# KiCad board OroLink.kicad_pcb
title: Oro Link; date: 2023-03-22; rev: 3; company: Oro Operating System; note: ://oro.sh; note: Joshua Lee Junon
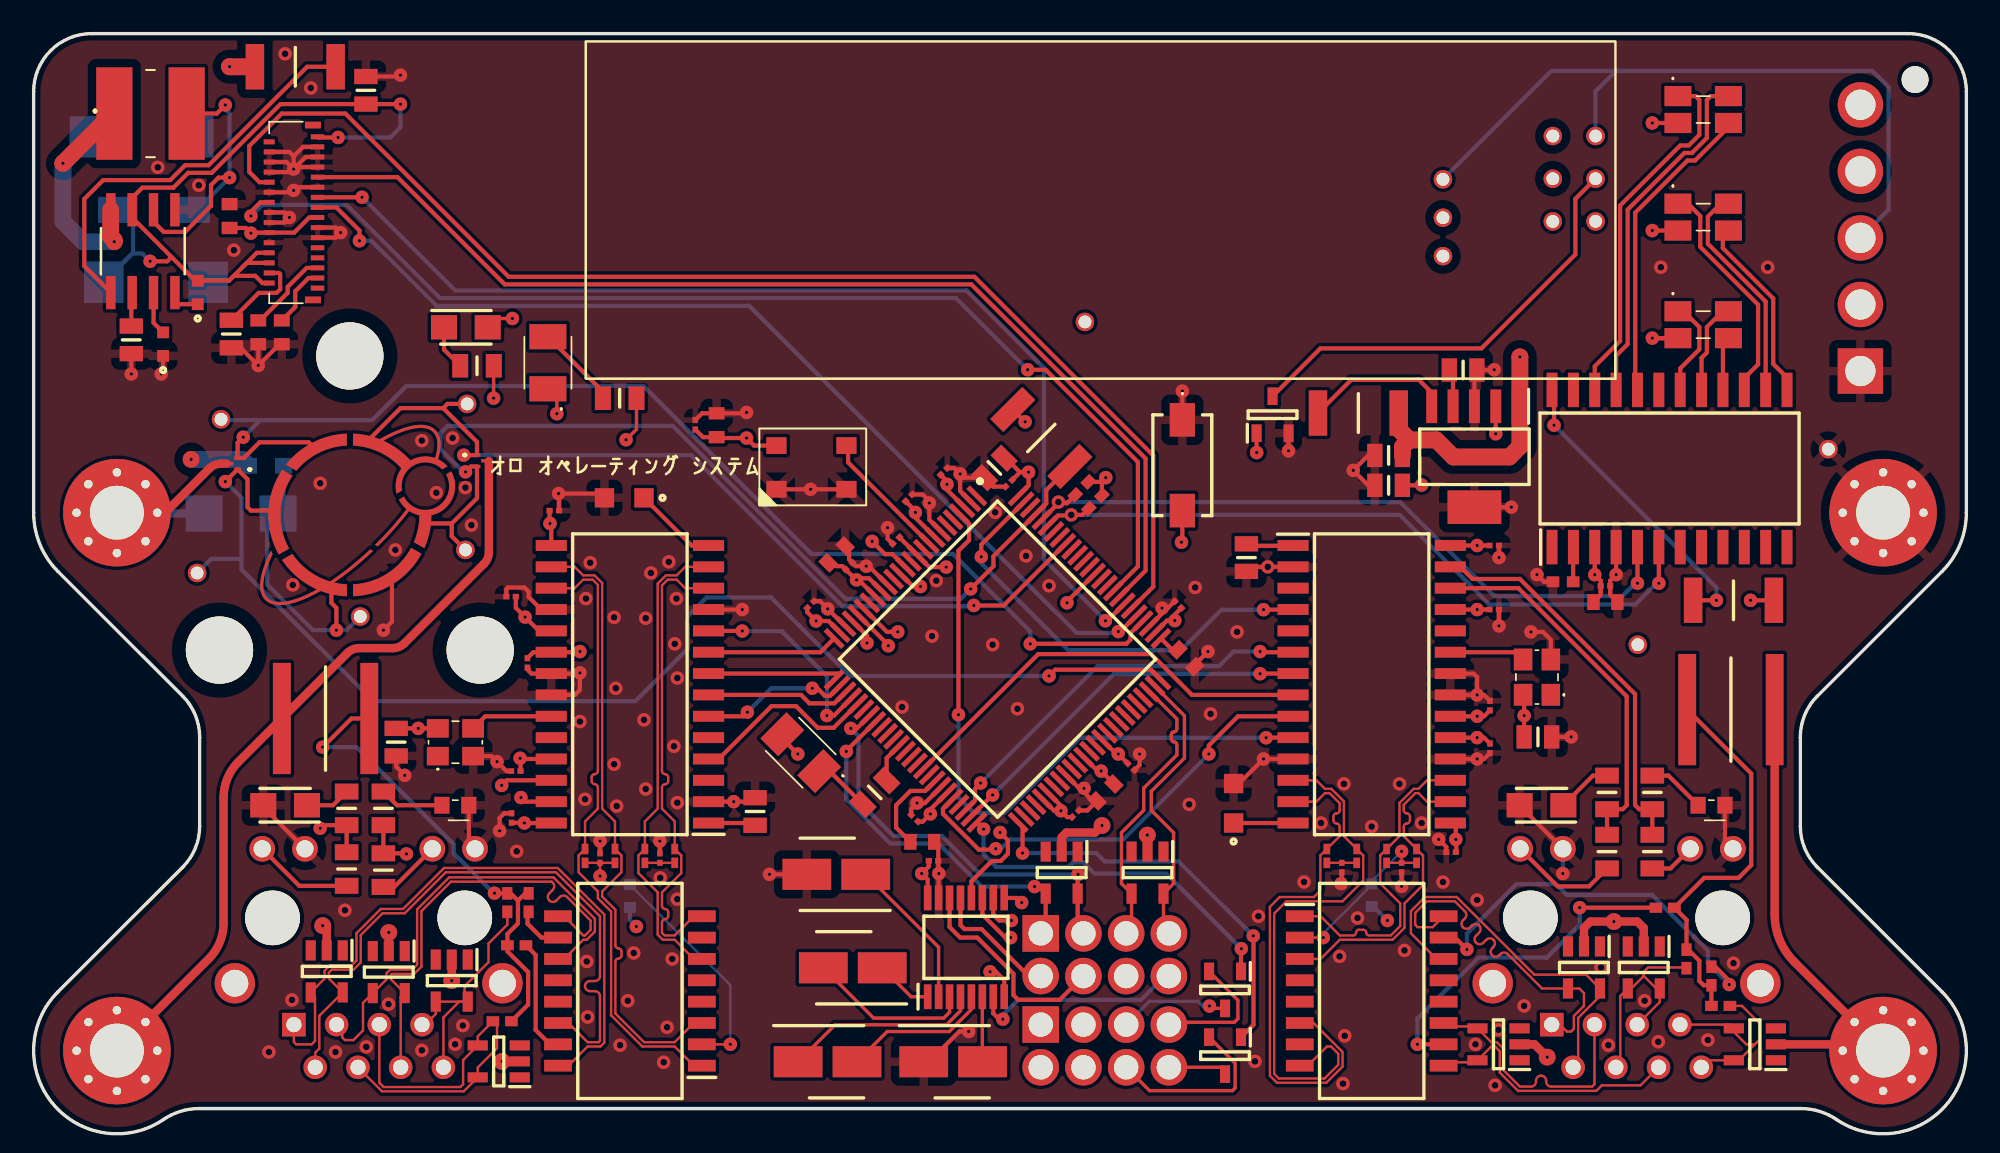
[diagram p0: board, top side]
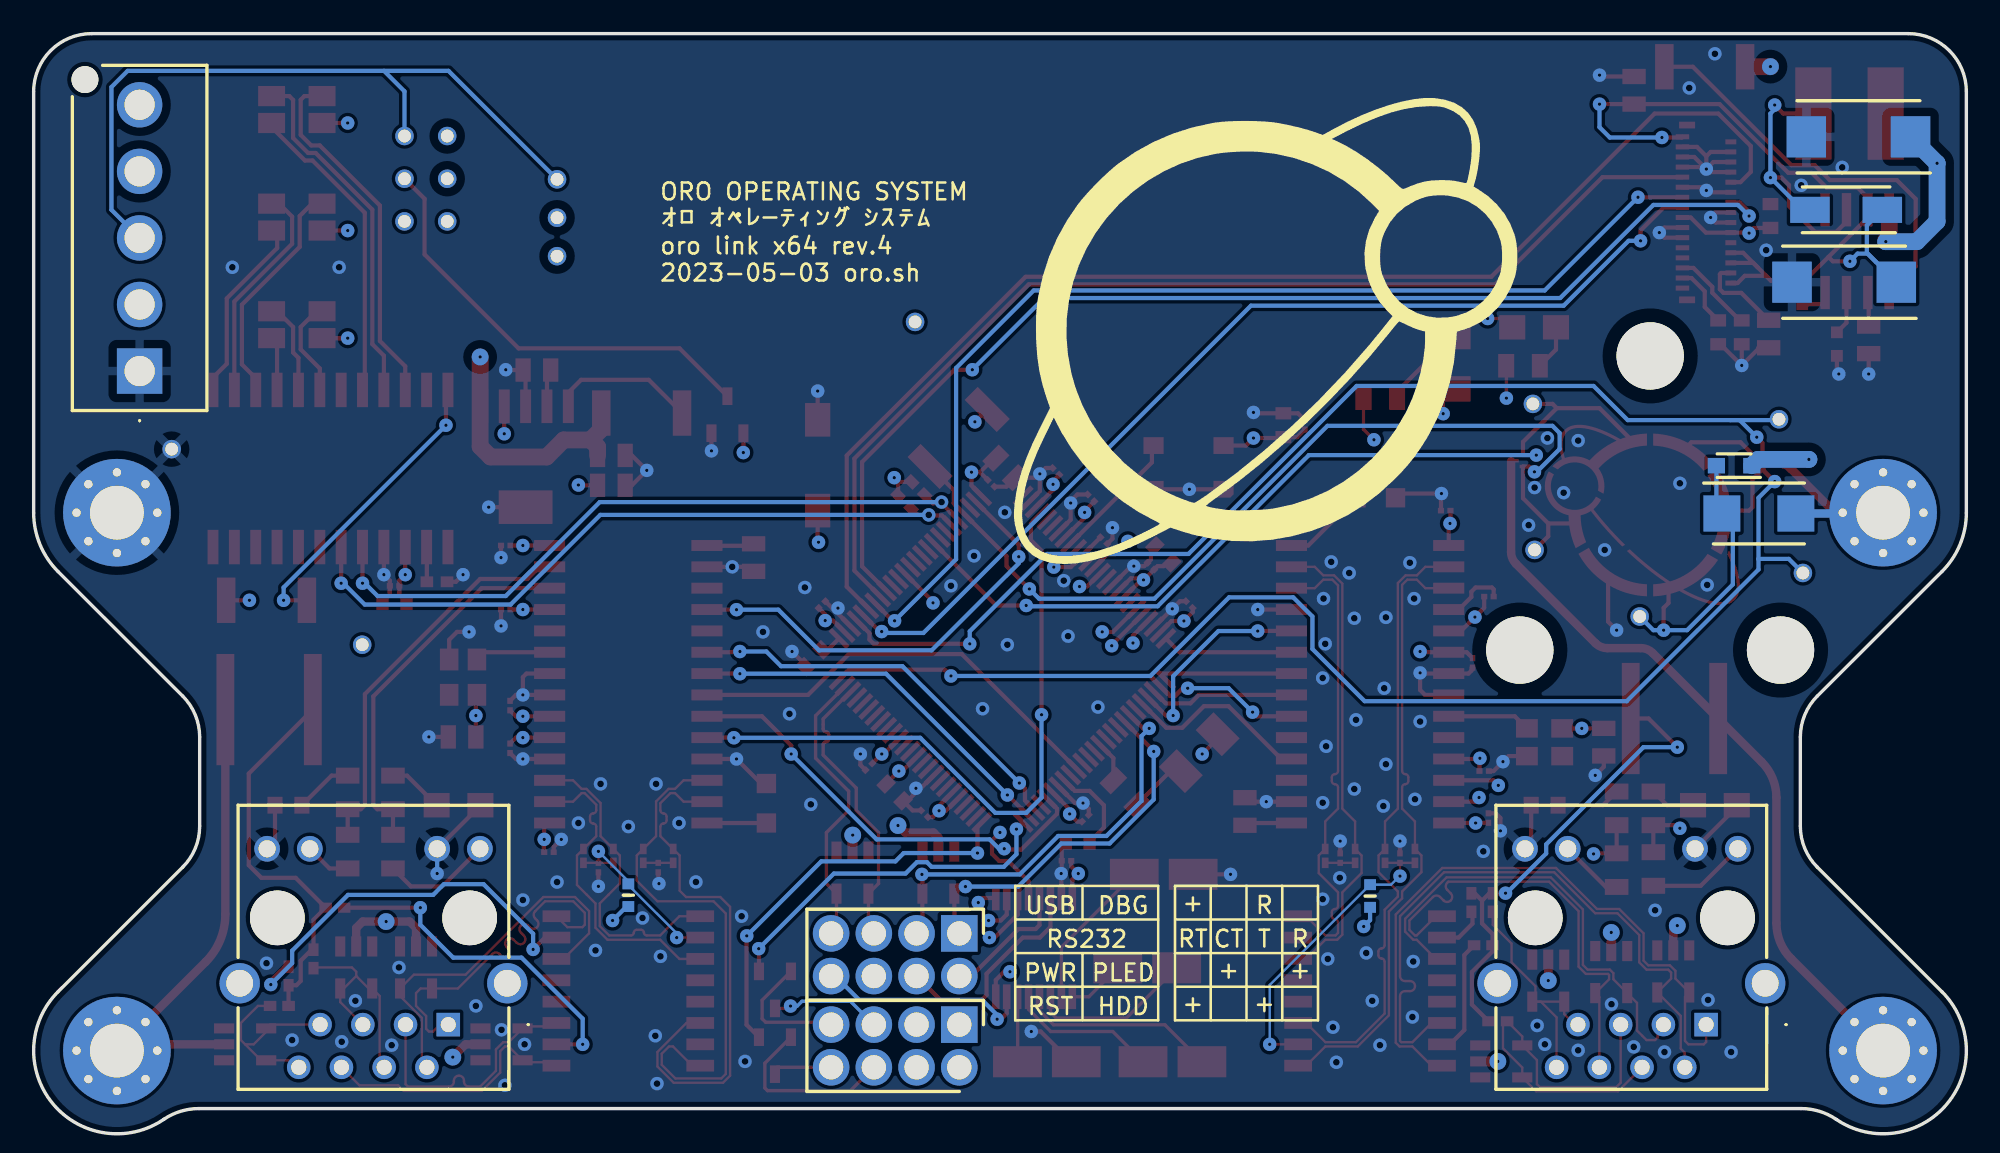
[diagram p1: board, bottom side, seen from below]

Outline 114.9 x 65.45 mm; copper layers: Top, In1.Cu (plane), In2.Cu (plane), Bottom. Coordinates in mm from the lower left corner of the outline.
Outline path: 0,62 0,36.95 arc(0.38,35.06) 1.45,33.45 8.86,26.04 arc(9.61,24.92) 9.87,23.6 9.87,18.3 arc(9.61,16.98) 8.86,15.86 1.45,8.45 arc(1.14,1.8) 7.73,0.86 arc(8.73,1.34) 9.82,1.5 105.08,1.5 arc(106.17,1.34) 107.17,0.86 arc(113.76,1.8) 113.45,8.45 106.04,15.86 arc(105.29,16.98) 105.03,18.3 105.03,23.6 arc(105.29,24.92) 106.04,26.04 113.45,33.45 arc(114.52,35.06) 114.9,36.95 114.9,62 arc(113.89,64.44) 111.45,65.45 3.45,65.45 arc(1.01,64.44) 0,62
Stack: Top 0.035mm / dielectric 0.2104mm FR4 er 4.5 / In1.Cu 0.0152mm / dielectric 1.065mm FR4 er 4.5 / In2.Cu 0.0152mm / dielectric 0.2104mm FR4 er 4.5 / Bottom 0.035mm

## Placement (name value [footprint] x y rotation side)
C1  0.1u  [CAPC0402X22N]  39.33 42.18 270 top
C2  1u  [CAPC1608X90N]  40.6 42.16 270 top
C3  0.1u  [CAPC0402X22N]  51.27 35.3 225 top
C4  4.7u  [CAPC2012X135N]  57.11 39.62 225 top
C5  2.2u  [CAPC1608X90N]  52.83 17.37 0 top
C6  2.2u  [CAPC1608X90N]  68.53 28.29 315 top
C7  0.1u  [CAPC0402X22N]  57.98 38.7 45 top
C8  0.1u  [CAPC0402X22N]  68.04 31.49 315 top
C9  0.1u  [CAPC0402X22N]  52.03 37.84 225 top
C10  0.1u  [CAPC0402X22N]  46.19 31.49 225 top
C11  0.1u  [CAPC0402X22N]  52.37 18.77 315 top
C12  0.1u  [CAPC0402X22N]  65.24 21.84 135 top
C13  0.1u  [CAPC0402X22N]  61.94 19.04 225 top
C14  0.1u  [CAPC0402X22N]  54.12 39.41 225 top
C15  2.2u  [CAPC1608X90N]  63.72 20.31 225 top
C16  0.1u  [CAPC0402X22N]  48.48 33.77 225 top
C17  1u  [CAPC1608X90N]  47.74 34.47 225 top
C18  10u  [CAPC2012X135N]  80.55 40.36 180 top
C19  10u  [CAPC2012X135N]  84.98 45.44 180 top
C20  10u  [CAPC2012X135N]  80.55 38.58 0 top
C21  1u  [CAPC1608X90N]  14.75 47.68 90 top
C22  1u  [CAPC1608X90N]  13.35 47.68 90 top
C23  4.7u  [CAPC2012X135N]  19.75 62.08 90 top
C24  1u  [CAPC1608X90N]  11.65 54.6 270 top
C25  4.7u  [CAPC2012X135N]  11.75 47.58 90 top
C26  0.01u  [CAPC2012X75N]  5.81 47.24 90 top
C27  0.047u  [C1608_Commercial_Tight]  6.95 45.68 90 top
C28  0.001u  [C1608_Commercial_Tight]  9 48.76 90 top
C29  33u  [CAPPM7343X310N]  6.42 59.31 0 bottom
C30  33u  [CAPPM7343X310N]  7.27 50.66 0 bottom
C31  10u  [CAPC2012X135N]  42.89 19.18 270 top
C32  0.01u  [CAPC2012X75N]  21.55 23.3 270 top
C33  0.1u  [CAPC0402X22N]  37.23 16.4 90 top
C34  0.1u  [CAPC0402X22N]  33.67 16.4 90 top
C35  1nF 5kV  [CAPC5664X270N]  17.35 24.71 0 top
C36  0.1u  [CAPC0402X22N]  28.41 18.79 90 top
C37  0.1u  [CAPC0402X22N]  30.95 37.08 0 top
C38  0.1u  [CAPC0402X22N]  28.38 31.96 180 top
C39  0.1u  [CAPC0402X22N]  28.67 21.58 180 top
C40  0.1u  [CAPC0402X22N]  29.35 28.02 270 top
C41  10u  [CAPC2012X135N]  72.1 34.28 90 top
C42  0.01u  [CAPC2012X75N]  89.43 23.61 0 top
C43  0.1u  [CAPC0402X22N]  77.77 15.84 270 top
C44  0.1u  [CAPC0402X22N]  81.33 15.84 270 top
C45  1nF 5kV  [CAPC5664X270N]  100.9 25.24 180 top
C46  0.1u  [CAPC0402X22N]  86.83 35 0 top
C47  0.1u  [CAPC0402X22N]  84.26 16.76 180 top
C48  0.1u  [CAPC0402X22N]  86.58 22.94 270 top
C49  0.1u  [CAPC0402X22N]  86.83 31.19 0 top
C50  0.1u  [CAPC0402X22N]  86.58 25.48 90 top
C51  0.1u  [CAPAE430X610N]  48.7 9.88 180 top
C52  0.1u  [CAPAE430X610N]  47.2 4.29 0 top
C53  0.1u  [CAPAE430X610N]  47.72 15.44 180 top
C54  0.1u  [CAPC0402X22N]  53.5 16.25 0 top
C55  0.1u  [CAPAE430X610N]  54.66 4.29 0 top
C56  0.1u  [CAPC0402X22N]  93.44 32.6 0 top
C57  1u  [CAPC1608X90N]  93.44 31.63 180 top
D1  ESDS302DBVR  [SOT95P280X145-5N]  61.12 15.54 270 top
D2  ESDS302DBVR  [SOT95P280X145-5N]  66.22 15.54 270 top
D3  SS12  [DIOM5227X250N]  7.15 54.97 0 bottom
D4  ESDS302DBVR  [SOT95P280X145-5N]  17.42 9.66 270 top
D5  ESDS302DBVR  [SOT95P280X145-5N]  21.11 9.62 270 top
D6  ESDS302DBVR  [SOT95P280X145-5N]  27.65 4.31 180 top
D7  ESDS302DBVR  [SOT95P280X145-5N]  24.86 9.12 270 top
D8  ESDS302DBVR  [SOT95P280X145-5N]  92.17 9.9 270 top
D9  ESDS302DBVR  [SOT95P280X145-5N]  87.09 5.33 180 top
D10  ESDS302DBVR  [SOT95P280X145-5N]  95.72 9.9 270 top
D11  ESDS302DBVR  [SOT95P280X145-5N]  102.33 5.33 180 top
D12  RFU02VSM8STR  [SODFL2514X80N]  13.81 39.75 0 bottom
D13  RCLAMP3552T.TNT  [RCLAMP3552TTNT]  11.9 39.87 90 top
D14  P6SMB15A-Q  [DIOM5436X244N]  12.34 36.91 180 bottom
D15  RCLAMP3552T.TNT  [RCLAMP3552TTNT]  26.58 40.04 270 top
DBG1  ~  [DebugPin]  106.69 40.73 0 top
DBG31  ~  [DebugPin]  62.5 48.3 0 top
DBG32  ~  [DebugPin]  83.78 56.79 0 top
DBG33  ~  [DebugPin]  83.78 52.21 0 top
DBG34  ~  [DebugPin]  83.78 54.5 0 top
DBG35  ~  [DebugPin]  95.37 29.1 0 top
DBG39  ~  [DebugPin]  19.42 30.78 0 top
DBG40  ~  [DebugPin]  9.72 33.37 0 top
DBG41  ~  [DebugPin]  11.14 42.51 0 top
DBG42  ~  [DebugPin]  25.77 43.43 0 top
DBG43  ~  [DebugPin]  25.67 34.74 0 top
FB1  CD54NP-180MC  [CD54NP180MC]  6.95 60.7 270 top
FB2  BLM18BB600SZ1D  [BLM18EG121SH1D]  35.45 14.15 90 bottom
FB3  BLM18BB600SZ1D  [BLM18EG121SH1D]  79.54 14.2 90 bottom
G***  -  [LOGO]  41.62 47.74 180 bottom
H1  MountingHole_Pad  [MountingHole_3.2mm_M3_Pad_Via]  109.95 4.95 0 top
H2  MountingHole_Pad  [MountingHole_3.2mm_M3_Pad_Via]  4.95 36.95 0 top
H3  MountingHole_Pad  [MountingHole_3.2mm_M3_Pad_Via]  4.95 4.95 0 top
H4  MountingHole_Pad  [MountingHole_3.2mm_M3_Pad_Via]  109.95 36.95 0 top
IC1  STM32F479VGT6  [QFP50P1600X1600X160-100N]  57.3 28.24 315 top
IC2  TPS73733DCQ  [SOT127P706X180-6N]  85.65 40.28 270 top
IC3  TPS6734IDR  [SOIC127P600X175-8N]  6.49 52.51 90 top
IC4  ENC28J60-I_SO  [SOIC127P1030X265-28N]  35.45 26.75 180 top
IC5  ENC28J60-I_SO  [SOIC127P1030X265-28N]  79.55 26.75 0 top
IC6  SN75C3232EPWR  [SOP65P640X120-16N]  55.43 11.1 90 top
IC7  IS31FL3218-GRLS2  [SOIC127P1036X265-24N]  97.25 39.58 90 top
J1  67996-408HLF  [HDRV8W89P254_2X4_1016X483X858P]  59.87 11.93 0 bottom
J2  DF63-5P-3.96DSA  [DF635P396DSA]  108.6 45.38 90 bottom
J3  67996-408HLF  [HDRV8W89P254_2X4_1016X483X858P]  59.87 6.5 0 bottom
J4  3-2328724-1  [323287241]  15.48 54.81 90 top
J5  JXD2-0Z10NL  [JXD20Z10NL]  15.47 6.5 180 bottom
J6  JXD2-0Z10NL  [JXD20Z10NL]  90.25 6.5 180 bottom
J7  OroConn6p  [OroConn6p_WithMounts]  18.8 36.78 0 top
LED1  AA3528VRVFS/A  [AA3528VRVFSA]  45.6 22.68 135 top
LED2  AA3528VRVFS/A  [AA3528VRVFSA]  30.57 45.87 90 top
LED3  CLM3C-WKW-CXAYA453  [CLM3CWKWCXAYA453]  25.7 47.98 0 top
LED4  APT1608VRCXF_A-5MAV  [APT1608VRCXFA5MAV]  25.07 19.55 180 top
LED5  CLM3C-WKW-CXAYA453  [CLM3CWKWCXAYA453]  14.95 19.55 180 top
LED6  APT1608VRCXF_A-5MAV  [APT1608VRCXFA5MAV]  99.75 19.55 180 top
LED7  CLM3C-WKW-CXAYA453  [CLM3CWKWCXAYA453]  89.64 19.55 180 top
LED8  -  [150120M173000]  99.25 60.94 0 top
LED9  -  [150120M173000]  99.25 54.54 0 top
LED10  -  [150120M173000]  99.25 48.14 0 top
Q1  PMV20ENR  [SOT95P230X110-3N]  73.65 42.78 90 top
Q2  PMV20ENR  [SOT95P230X110-3N]  70.83 8.56 270 top
Q3  PMV20ENR  [SOT95P230X110-3N]  70.83 4.65 270 top
R1  4.7k  [RESC1005X40N]  63.12 37.59 225 top
R2  4.7k  [RESC1005X40N]  62.31 38.4 225 top
R3  10k  [RESC5025X65N]  59.91 41.4 315 top
R4  1k  [RESC2012X60N]  50 20.31 225 top
R5  10k  [RESC5025X65N]  78.75 42.88 180 top
R6  1k  [RESC2012X60N]  34.84 43.76 0 top
R7  1k  [RESC2012X60N]  26.36 45.69 180 top
R8  10k  [RESC5025X65N]  15.55 63.48 180 top
R9  2.32k, <=1%  [ERJP06__0805_]  35.11 37.84 180 top
R10  RMCF0201FT49R9  [RESC0603X26N]  32.78 16.53 270 top
R11  RMCF0201FT49R9  [RESC0603X26N]  34.56 16.53 270 top
R12  RMCF0201FT49R9  [RESC0603X26N]  36.34 16.53 270 top
R13  RMCF0201FT49R9  [RESC0603X26N]  38.12 16.53 270 top
R14  75R  [RESC1005X40N]  29.43 13.76 90 top
R15  75R  [RESC1005X40N]  28.72 11.22 180 top
R16  75R  [RESC1005X40N]  27.85 6.7 0 top
R17  75R  [RESC1005X40N]  28.16 13.76 90 top
R18  470R  [RESC2012X60N]  18.61 15.76 90 top
R19  470R  [RESC2012X60N]  20.79 15.69 90 top
R20  1k  [RESC2012X60N]  18.61 19.36 270 top
R21  1k  [RESC2012X60N]  20.79 19.36 270 top
R22  2.32k, <=1%  [ERJP06__0805_]  71.34 19.67 90 top
R23  RMCF0201FT49R9  [RESC0603X26N]  80.44 16.53 270 top
R24  RMCF0201FT49R9  [RESC0603X26N]  82.21 16.53 270 top
R25  RMCF0201FT49R9  [RESC0603X26N]  76.88 16.53 270 top
R26  RMCF0201FT49R9  [RESC0603X26N]  78.66 16.53 270 top
R27  75R  [RESC1005X40N]  96.99 13.45 0 top
R28  75R  [RESC1005X40N]  99.74 9.39 270 top
R29  75R  [RESC1005X40N]  98.26 10.41 90 top
R30  75R  [RESC1005X40N]  100.29 7.61 180 top
R31  470R  [RESC2012X60N]  93.54 16.79 90 top
R32  470R  [RESC2012X60N]  96.23 16.79 90 top
R33  1k  [RESC2012X60N]  93.54 20.31 270 top
R34  1k  [RESC2012X60N]  96.23 20.31 270 top
R35  5.6K  [RESC1105X40N]  90.92 32.84 0 top
R36  10k  [RESC5025X65N]  101.06 31.74 180 top
S1  -  [TL6400AF160QJ]  68.29 39.78 270 top
S2  -  [25146NAH]  97.83 63.87 180 bottom
T1  PT61017XPEL  [SOIC127P930X570-16N]  35.45 8.5 180 top
T2  PT61017XPEL  [SOIC127P930X570-16N]  79.55 8.5 0 top
X1  -  [7P-26.000MBP-T]  43.14 41.96 0 top
Y1  25MHz  [ASE24576MHZLCT]  25.08 23.3 0 top
Y2  25MHz  [ASE24576MHZLCT]  89.37 27.17 90 top

## Library data of the parts
C1 C3 C7-C14 C16 C54 = -: Description: Capacitor Ceramic Multilayer (MLCC); Arrow Part Number: 01016D104KAT2A; Arrow Price/Stock: https://www.arrow.com/en/products/01016d104kat2a/avx; Height: 0.22; Manufacturer_Name: AVX; Manufacturer_Part_Number: 01016D104KAT2A; Mouser Part Number: 581-01016D104KAT2A; Mouser Price/Stock: https://www.mouser.com/Search/Refine.aspx?Keyword=581-01016D104KAT2A
C2 C17 C21 C22 C24 C57 = -: Description: AVX 1uF  /-10% 16 V dc X5R Dielectric SMD Ceramic Multilayer Capacitor 0603; Arrow Part Number: 0603YD105KAT2A; Arrow Price/Stock: https://www.arrow.com/en/products/0603yd105kat2a/avx; Height: 0.9; Manufacturer_Name: AVX; Manufacturer_Part_Number: 0603YD105KAT2A; Mouser Part Number: 581-0603YD105K; Mouser Price/Stock: https://www.mouser.co.uk/ProductDetail/AVX/0603YD105KAT2A?qs=Gc704lYbI0yxwip%252B5td8dA%3D%3D
C4 C23 C25 = -: Description: Samsung Electro-Mechanics CL21A475KOFNNNE 4.7uF Ceramic Multilayer Capacitor 16V dc +/-10% Tolerance SMD; Arrow Part Number: CL21A475KOFNNNE; Arrow Price/Stock: https://www.arrow.com/en/products/cl21a475kofnnne/samsung-electro-mechanics?region=europe; Height: 1.35; Manufacturer_Name: SAMSUNG; Manufacturer_Part_Number: CL21A475KOFNNNE; Mouser Part Number: 187-CL21A475KOFNNNE; Mouser Price/Stock: https://www.mouser.co.uk/ProductDetail/Samsung-Electro-Mechanics/CL21A475KOFNNNE?qs=yOVawPpwOwlqsH7zjiqEfQ%3D%3D
C5 C6 C15 = -: Description: Samsung Electro-Mechanics 0603 CL 2.2uF Ceramic Multilayer Capacitor, 10 V, +85C, X5R Dielectric, +/-10% SMD; Arrow Part Number: CL10A225KP8NNNC; Arrow Price/Stock: https://www.arrow.com/en/products/cl10a225kp8nnnc/samsung-electro-mechanics?region=europe; Height: 0.9; Manufacturer_Name: SAMSUNG; Manufacturer_Part_Number: CL10A225KP8NNNC; Mouser Part Number: 187-CL10A225KP8NNNC; Mouser Price/Stock: https://www.mouser.co.uk/ProductDetail/Samsung-Electro-Mechanics/CL10A225KP8NNNC?qs=hqM3L16%252Bxldb5UYUGQVB5Q%3D%3D
C18-C20 C31 C41 = -: Description: Multilayer Ceramic Capacitors MLCC - SMD/SMT 0805 10VDC 10uF 10% X5R; Height: 1.35; Manufacturer_Name: TAIYO YUDEN; Manufacturer_Part_Number: LMK212ABJ106KG8T; Mouser Part Number: 963-LMK212ABJ106KG8T; Mouser Price/Stock: https://www.mouser.co.uk/ProductDetail/Taiyo-Yuden/LMK212ABJ106KG8T?qs=DPoM0jnrROXr%252BNWMCZEUdQ%3D%3D
C26 C32 C42 = -: Description: Samsung Electro-Mechanics 0805 CL 10nF Ceramic Multilayer Capacitor, 50 V, +125C, X7R Dielectric, +/-10% SMD; Arrow Part Number: CL21B103KBANNNC; Arrow Price/Stock: https://www.arrow.com/en/products/cl21b103kbannnc/samsung-electro-mechanics?region=europe; Height: 0.75; Manufacturer_Name: SAMSUNG; Manufacturer_Part_Number: CL21B103KBANNNC; Mouser Part Number: 187-CL21B103KBANNNC; Mouser Price/Stock: https://www.mouser.co.uk/ProductDetail/Samsung-Electro-Mechanics/CL21B103KBANNNC?qs=349EhDEZ59oTK9iJ%2FqCMuw%3D%3D
C27 = -: Description: MULTILAYER CERAMIC CHIP CAPACITORS, 1608, Commercial grade, general (Up to 75V); Arrow Part Number: C1608X5R1H473K080AA; Arrow Price/Stock: https://www.arrow.com/en/products/c1608x5r1h473k080aa/tdk; Height: 0.9; Manufacturer_Name: TDK; Manufacturer_Part_Number: C1608X5R1H473K080AA; Mouser Part Number: 810-C1608X5R1H473KAA; Mouser Price/Stock: https://www.mouser.com/Search/Refine.aspx?Keyword=810-C1608X5R1H473KAA
C28 = -: Description: MULTILAYER CERAMIC CHIP CAPACITORS, 1608, Commercial grade, general (Up to 75V); Height: 0.9; Manufacturer_Name: TDK; Manufacturer_Part_Number: C1608X5R1H102K080AA; Mouser Part Number: 810-C1608X5R1H102K08
C29 C30 = -: Description: Solid Tantalum Surface Mount Chip Capacitors TANTAMOUNT(TM), Molded Case, Standard Industrial Grade; Arrow Part Number: 293D336X9016C2TE3; Arrow Price/Stock: https://www.arrow.com/en/products/293d336x9016c2te3/vishay; Height: 3.1; Manufacturer_Name: Vishay; Manufacturer_Part_Number: 293D336X0020D2TE3; Mouser Part Number: 74-293D336X9016C2TE3; Mouser Price/Stock: https://www.mouser.co.uk/ProductDetail/Vishay-Sprague/293D336X9016C2TE3?qs=CH3Q5FKf4qDq3CSOTLHRZw%3D%3D
C33 C34 C36-C40 C43 C44 C46-C50 C56 = -: Description: Multilayer Ceramic Capacitors MLCC - SMD/SMT 6.3V .1uF X5R 0101 10%; Arrow Part Number: 01016D104KAT2A; Arrow Price/Stock: https://www.arrow.com/en/products/01016d104kat2a/avx; Height: 0.22; Manufacturer_Name: AVX; Manufacturer_Part_Number: 01016D104KAT2A; Mouser Part Number: 581-01016D104KAT2A; Mouser Price/Stock: https://www.mouser.com/Search/Refine.aspx?Keyword=581-01016D104KAT2A
C35 C45 = -: Description: Multilayer Ceramic Capacitors MLCC - SMD/SMT 1.0nF 5000volts 10% X7R High Voltage; Height: 2.7; Manufacturer_Name: Vishay; Manufacturer_Part_Number: HV2225Y102KXMATHV; Mouser Part Number: 77-HV2225Y102KXMATHV; Mouser Price/Stock: https://www.mouser.com/Search/Refine.aspx?Keyword=77-HV2225Y102KXMATHV
C51-C53 C55 = -: Description: Aluminum Electrolytic Capacitors - SMD 35volts 0.1uF 85c 4X5.8; Arrow Part Number: UUP1H0R1MCL1GS; Arrow Price/Stock: https://www.arrow.com/en/products/uup1h0r1mcl1gs/nichicon?region=nac; Height: 6.1; Manufacturer_Name: Nichicon; Manufacturer_Part_Number: UUP1H0R1MCL1GS; Mouser Part Number: 647-UUP1H0R1MCL1GS; Mouser Price/Stock: https://www.mouser.co.uk/ProductDetail/Nichicon/UUP1H0R1MCL1GS?qs=huzeVNXgovXvQmoxbanaNw%3D%3D
D1 D2 D4-D11 = -: Description: 3.6V Data-Line Surge and 30kV ESD Protection Diode Array; Arrow Price/Stock: https://www.arrow.com/en/products/esds302dbvr/texas-instruments; Height: 1.45; Manufacturer_Name: Texas Instruments; Mouser Part Number: 595-ESDS302DBVR; Mouser Price/Stock: https://www.mouser.co.uk/ProductDetail/Texas-Instruments/ESDS302DBVR?qs=qSfuJ%252Bfl%2Fd4NxvvS2bbWLw%3D%3D
D3 = -: Description: ON Semi SS12 SMT Schottky Diode, 20V 1A, 2-Pin DO-214AC; Arrow Price/Stock: https://www.arrow.com/en/products/ss12/on-semiconductor?region=nac; Height: 2.5; Manufacturer_Name: onsemi; Manufacturer_Part_Number: 821-SS12; Mouser Part Number: 821-SS12; Mouser Price/Stock: https://www.mouser.co.uk/ProductDetail/ON-Semiconductor-Fairchild/SS12?qs=mVVXn4M53U9WoaEpU1CO0A%3D%3D
D12 = -: Description: ROHM 800V 200mA, Diode, 2-Pin TUMD2M RFU02VSM8STR; Arrow Price/Stock: https://www.arrow.com/en/products/rfu02vsm8str/rohm-semiconductor; Height: 0.8; Manufacturer_Name: ROHM Semiconductor; Mouser Part Number: 755-RFU02VSM8STR; Mouser Price/Stock: https://www.mouser.co.uk/ProductDetail/ROHM-Semiconductor/RFU02VSM8STR?qs=R91Bf2XdLdmknCjulGI%252B1w%3D%3D
D13 D15 = -: Description: ESD Suppressors / TVS Diodes 3.5V, 0.4PF, 2 LINE ESD; Arrow Price/Stock: https://www.arrow.com/en/products/rclamp3552t.tnt/semtech?region=nac; Height: 0.43; Manufacturer_Name: SEMTECH; Mouser Part Number: 947-RCLAMP3552T.TNT; Mouser Price/Stock: https://www.mouser.co.uk/ProductDetail/Semtech/RCLAMP3552T.TNT?qs=rBWM4%252BvDhIe%2F%252Bbljv6W6EA%3D%3D
D14 = -: Description: P6SMB-Q Transient Voltage Suppressor Diode Series, Uni-Directional; Height: 2.44; Manufacturer_Name: Bourns; Mouser Part Number: 652-P6SMB15A-Q; Mouser Price/Stock: https://www.mouser.co.uk/ProductDetail/Bourns/P6SMB15A-Q?qs=%252B6g0mu59x7Isw1XY7aXXJQ%3D%3D
DBG1 DBG31-DBG35 DBG39-DBG43 = -: Sim.Enable: 0
FB1 = -: Description: Inductor Power Unshielded Drum Core 18uH 20% 2.52MHz Ferrite 1.23A 150mOhm DCR T/R; Arrow Price/Stock: https://www.arrow.com/en/products/cd54np-180mc/sumida?region=nac; Height: 4.85; Manufacturer_Name: Sumida; Mouser Part Number: 851-CD54NP-180MC; Mouser Price/Stock: https://www.mouser.co.uk/ProductDetail/Sumida/CD54NP-180MC?qs=ttApTud31JY8%252BzOY3leyvw%3D%3D
FB2 FB3 = -: Description: BLM18_Z1D Series EMI Suppression Filter 60+/-25% at 100MHz 600mA @85; Height: 0.95; Manufacturer_Name: Murata Electronics; Mouser Part Number: 81-BLM18BB600SZ1D; Mouser Price/Stock: https://www.mouser.com/Search/Refine.aspx?Keyword=81-BLM18BB600SZ1D
H1-H4 = -: Description: Mounting Hole with connection; Sim.Enable: 0
IC1 = -: Description: ARM Microcontrollers - MCU 16/32-BITS MICROS; Height: 1.6; Manufacturer_Name: STMicroelectronics; Mouser Part Number: 511-STM32F479VGT6; Mouser Price/Stock: https://www.mouser.co.uk/ProductDetail/STMicroelectronics/STM32F479VGT6?qs=o7IDWEFmXKADp8QFprcgSQ%3D%3D
IC2 = -: Description: Single Output LDO, 1A, Adj. (1.2 to 5.0V), Reverse Current Protection; Height: 1.8; Manufacturer_Name: Texas Instruments; Mouser Part Number: 595-TPS73733DCQ; Mouser Price/Stock: https://www.mouser.de/ProductDetail/Texas-Instruments/TPS73733DCQ?qs=pZC5fsuWujEDbxC8pwc3MQ%3D%3D; Note: 5v TO 3.3v
IC3 = -: Description: BOOST-CONVERTER SUPPLY; Arrow Price/Stock: https://www.arrow.com/en/products/tps6734idr/texas-instruments; Manufacturer_Name: Texas Instruments; Mouser Part Number: 595-TPS6734IDR; Mouser Price/Stock: https://www.mouser.co.uk/ProductDetail/Texas-Instruments/TPS6734IDR?qs=bvpNxolhIUOu6nlgqpb6YQ%3D%3D; Note: RM "R" SUFFIX FOR CPT. PART
IC4 IC5 = -: Description: Ethernet Controller, 8 KB RAM, MAC&PHY; Arrow Part Number: ENC28J60-I/SO; Arrow Price/Stock: https://www.arrow.com/en/products/enc28j60-iso/microchip-technology?region=nac; Height: 2.65; Manufacturer_Name: Microchip; Manufacturer_Part_Number: ENC28J60-I/SO; Mouser Part Number: 579-ENC28J60-I/SO; Mouser Price/Stock: https://www.mouser.co.uk/ProductDetail/Microchip-Technology-Atmel/ENC28J60-I-SO?qs=8nGS%2FuaWW3uX0KPZZN505g%3D%3D
IC6 = -: Description: 3-V To 5.5-V Two Channel RS-232 1 Mbit/s Line Driver/Receiver with +/-15 kV IEC ESD Protection; Arrow Price/Stock: https://www.arrow.com/en/products/sn75c3232epwr/texas-instruments; Height: 1.2; Manufacturer_Name: Texas Instruments; Mouser Part Number: 595-SN75C3232EPWR; Mouser Price/Stock: https://www.mouser.com/Search/Refine.aspx?Keyword=595-SN75C3232EPWR
IC7 = -: Description: IC LED DRIVER 18CH CC PWM 24SOIC; Height: 2.65; Manufacturer_Name: Lumissil; Mouser Part Number: 870-IS31FL3218-GRLS2; Mouser Price/Stock: https://www.mouser.de/ProductDetail/Lumissil/IS31FL3218-GRLS2?qs=iHGOLYL7GwC17lH0po6WyQ%3D%3D
J1 J3 = -: Description: BergStik, Board to Board connector, Unshrouded vertical header, Through Hole, Double Row, 8 Positions, 2.54 mm (0.100in) Pitch; Arrow Price/Stock: https://www.arrow.com/en/products/67996-408hlf/amphenol-fci; Height: 8.58; Manufacturer_Name: Amphenol Communications Solutions; Mouser Part Number: 649-67996-408HLF; Mouser Price/Stock: https://www.mouser.co.uk/ProductDetail/Amphenol-FCI/67996-408HLF?qs=zh4O8xspOux8A5Dq3mcAKw%3D%3D
J2 = -: Description: Power to the Board 3.96mm Pitch BtW 5P Strt Pin Hdr; Height: 10.3; Manufacturer_Name: Hirose; Mouser Part Number: 798-DF63-5P-3.96DSA; Mouser Price/Stock: https://www.mouser.co.uk/ProductDetail/Hirose-Connector/DF63-5P-3.96DSA?qs=UCP3u9vqPhEEAcrjzprN4g%3D%3D
J4 = -: Description: AMP - TE CONNECTIVITY - 3-2328724-1 - CONNECTOR, FPC, R/A, 31POS, 1ROW, 0.3MM; Arrow Price/Stock: https://www.arrow.com/en/products/3-2328724-1/te-connectivity?region=nac; Height: 1.1; Manufacturer_Name: TE Connectivity; Mouser Part Number: 571-3-2328724-1; Mouser Price/Stock: https://www.mouser.co.uk/ProductDetail/TE-Connectivity/3-2328724-1?qs=w%2Fv1CP2dgqp0EQ60RbjzYQ%3D%3D
J5 J6 = -: Description: Modular Connectors / Ethernet Connectors CONN RJ45 1X1 100D G/YLED TY; Arrow Price/Stock: https://www.arrow.com/en/products/jxd2-0z10nl/pulse-electronics-corporation?region=europe; Height: 17.2; Manufacturer_Name: Pulse; Mouser Part Number: 673-JXD2-0Z10NL; Mouser Price/Stock: https://www.mouser.co.uk/ProductDetail/Pulse-Electronics/JXD2-0Z10NL?qs=MyNHzdoqoQKKbi0V%2FxsyPg%3D%3D
J7 = -: Description: Oro Logo Connector 6 position; Sim.Enable: 0
LED1 = -: Description: LED Uni-Color Violet 2-Pin SMD T/R; Arrow Price/Stock: https://www.arrow.com/en/products/aa3528vrvfsa/kingbright?region=nac; Height: 2.1; Manufacturer_Name: Kingbright; Mouser Part Number: 604-AA3528VRVFS/A; Mouser Price/Stock: https://www.mouser.co.uk/ProductDetail/Kingbright/AA3528VRVFS-A?qs=rY7msk5yxfb63mh907EyRA%3D%3D; Note: DEBUG LED